# Altium PCB DigitalLabBoard.PcbDoc (part 2 of 3)
Units mm, origin at the board's own origin, x right, y up, seen from the top; angles counter-clockwise.
Board outline 155 x 110 mm, 2 copper layers (Top Layer, Bottom Layer), stack 1.571 mm thick; 189 components, 184 nets, 775 pads, 859 vias.
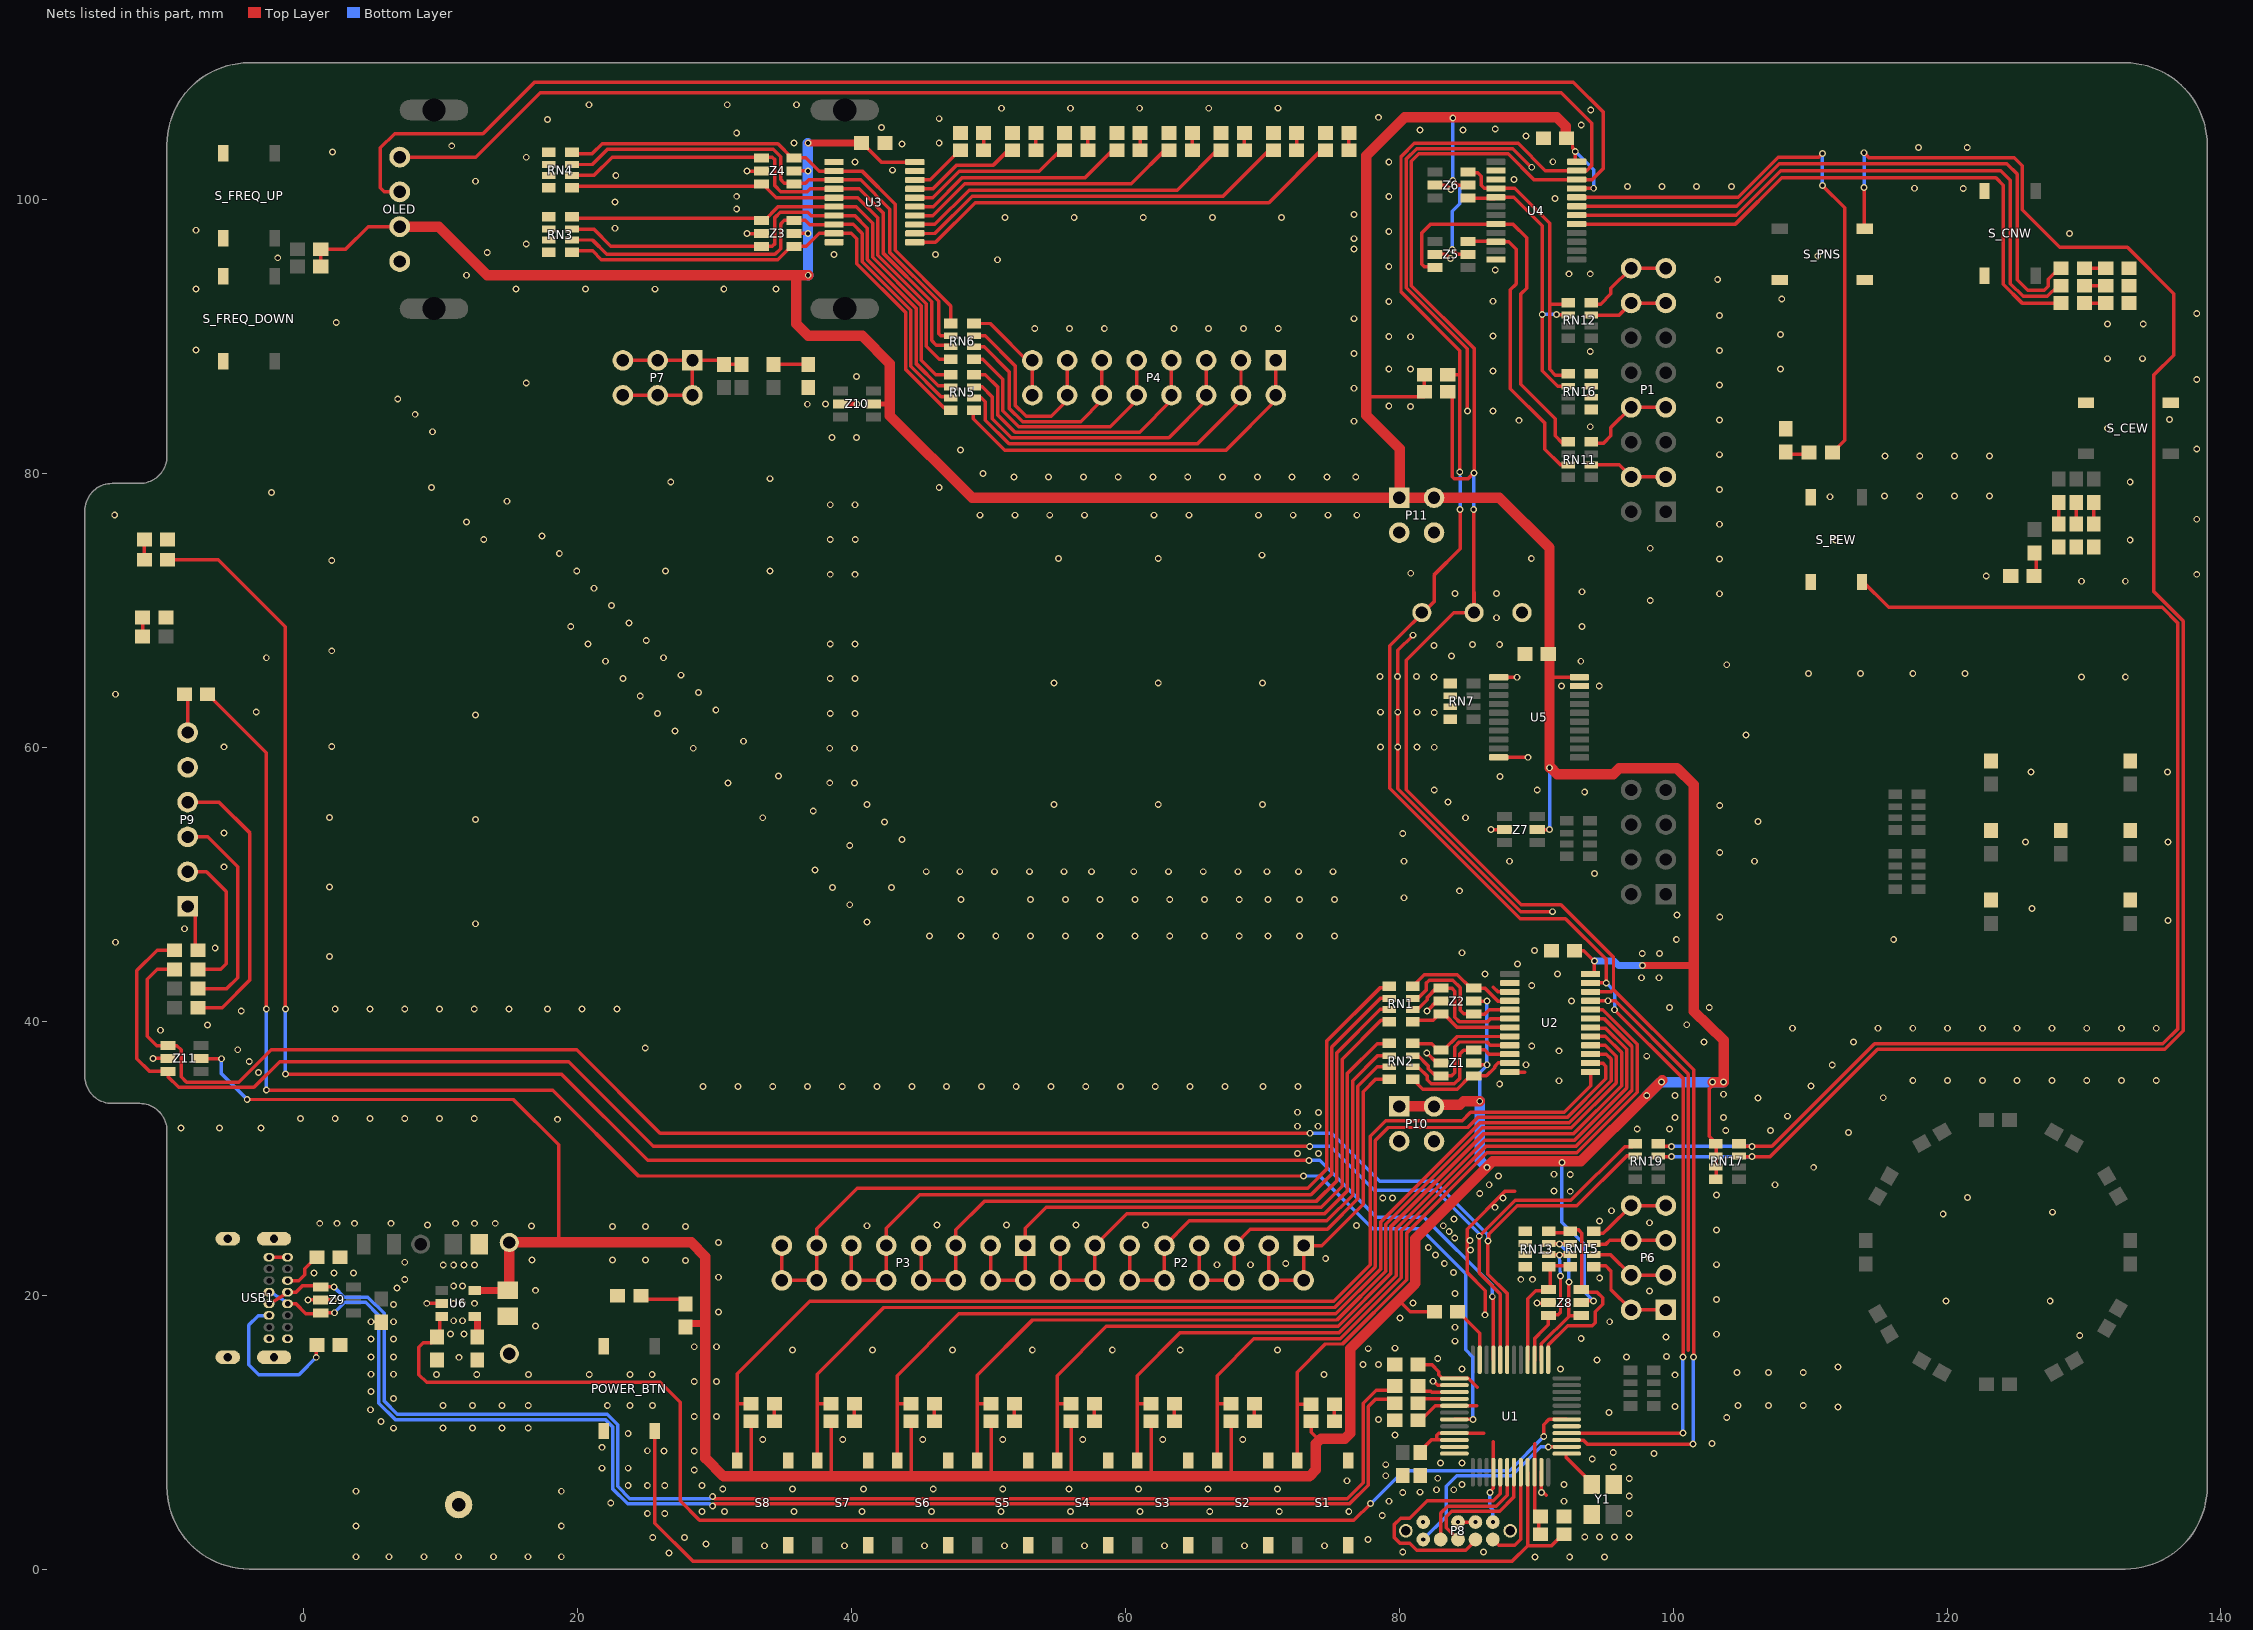
[diagram p2: the nets of this part, all layers, seen from the top]

## Via types
v1: diameter 0.5, hole 0.3, Top Layer to Bottom Layer, tented both sides, 854 vias
v2: diameter 0.5, hole 0.3, Top Layer to Bottom Layer, tented bottom, 5 vias

## Nets (pads, with @x,y where several pads share a name; then routed paths per layer and width w, separated by ;. In a path a pad name is that pad's centre, name@x,y a point inside that pad or via, vN(x,y) a via of type N, cw(c..) or ccw(c..) an arc to the next point about the centre after c; other vN are vias at no path point) (continued)
GND: C1.1 C2.1 C3.1 C4.1 C5.1 C6.1 C7.1 C8.1 C9.1 C10.1 C11.1 C12.1 C13.1 D17.K DIE_LED_A.K DIE_LED_B1.K DIE_LED_B2.K DIE_LED_C1.K DIE_LED_C2.K DIE_LED_D1.K DIE_LED_D2.K LED_0.K LED_1.K LED_2.K LED_3.K LED_4.K LED_5.K LED_6.K LED_7.K N1.1 OLED.1 P8.0 P8.3 P8.5 P8.9 P9.5 P10.3 P10.4 P11.3 P11.4 POWER_BTN.2 POWER_BTN.2b R20.1 R21.1 R22.1 R23.1 R24.1 R25.1 R26.1 R27.1 R29.2 R30.2 R32.2 R35.1 R39.1 R41.1 RN3.1 RN3.2 RN3.3 RN3.4 RN4.1 RN4.2 RN4.3 RN4.4 RN7.1 RN7.2 RN7.3 RN7.4 RN13.1 RN13.2 RN13.3 RN13.4 RN16.5 RN16.6 RN16.7 RN16.8 S1.1 S1.1b S2.1 S2.1b S3.1 S3.1b S4.1 S4.1b S5.1 S5.1b S6.1 S6.1b S7.1 S7.1b S8.1 S8.1b S_CEW.1 S_CEW.1b S_CNW.1 S_CNW.1b S_FREQ_DOWN.1 S_FREQ_DOWN.1b S_FREQ_UP.1 S_FREQ_UP.1b S_PEW.2 S_PEW.2b S_PNS.1 S_PNS.1b TP_Gnd1.1 TP_Gnd2.1 U1.2 U1.11 U1.12 U1.23 U2.2 U2.3 U2.12 U2.21 U3.1 U3.10 U3.19 U4.2 U4.3 U4.12 U5.1 U5.10 U5.19 U6.2 USB1.A1 USB1.A12 USB1.B1 USB1.B12 USB1.SH Y1.2 Y1.4 Z1.2 Z2.2 Z3.2 Z4.2 Z5.2 Z6.2 Z7.2 Z8.2 Z9.2 Z10.2 Z11.2 | length 124.5
  Top Layer w0.254: v1(-11.024,37.287) Z11.2@-9.912,37.287 ; USB1.B12@-2.514,22.761 -1.401,22.761 USB1.A1@-1.165,22.761 ; v1(0.297,19.659) Z9.2@1.23,19.659 v1(2.151,19.659) ; v1(8.97,19.405) U6.2@9.923,19.405 ; POWER_BTN.2b@21.885,10.055 POWER_BTN.2b@21.885,10.082 POWER_BTN.2b@21.885,10.182 ; v1@32.523,102.063 Z4.2@33.38,102.063 ; v1@32.535,97.517 Z3.2@33.392,97.517 ; U3.10@38.267,96.896 U3.10@38.273,96.89 ; v1(81.011,68.198) 79.898,67.085 79.898,56.979 88.871,48.006 v1(91.186,48.006) v1@91.298,48.006 ; v2(81.729,3.428) P8.9@81.748,3.428 P8.9@81.939,3.428 ; v1(82.002,37.693) 82.016,37.693 82.753,36.956 Z1.2@83.021,36.956 ; v1(82.027,40.741) 82.027,40.756 82.753,41.481 Z2.2@83.037,41.481 Z2.2@83.134,41.481 ; v1(82.459,13.715) 82.526,13.715 82.807,13.434 U1.2@84.014,13.434 ; Z5.2@82.553,96.036 Z5.2@82.579,96.062 ; Z5.2@82.58,96.036 Z5.2@82.605,96.011 83.413,96.011 v1(83.729,95.695) ; Z6.2@82.643,101.053 83.452,101.053 v1(83.767,100.737) ; P8.5@84.349,3.419 84.34,3.428 v2(84.288,3.428) v2(85.558,3.428) ; v1(84.974,84.581) 84.974,89.102 80.503,93.573 80.503,102.976 81.26,103.733 88.275,103.733 89.639,102.369 v1(89.673,102.369) ; v1(86.269,18.565) 86.269,20.336 84.948,21.657 84.948,24.812 87.741,27.605 88.446,27.605 ; v1@86.777,54.004 Z7.2@87.673,54.004 ; 86.873,42.484 87.205,42.152 U2.3@88.069,42.152 ; U5.10@87.356,59.279 v1(89.406,59.279) ; U5.1@87.356,65.129 v1(88.592,65.129) ; U2.12@87.619,36.302 87.625,36.296 89.165,36.296 ; v1(90.048,19.416) Z8.2@90.64,19.416 ; U1.23@90.373,7.125 U1.23@90.373,7.075 90.362,5.768 90.739,5.39 ; U2.21@93.969,41.502 95.761,41.502 101.113,36.15 101.113,15.973
  Top Layer w0.381: Z10.2@39.186,85.09 39.199,85.077 40.373,85.077 v1(40.386,85.065)
  other v1: 3.8,0.896 6.22,0.896 8.76,0.896 11.3,0.896 13.84,0.896 16.38,0.896 18.8,0.896 89.901,0.888 92.441,0.888 94.981,0.888 26.67,1.168 80.249,1.244 86.15,1.244 33.64,1.698 39.482,1.698 45.324,1.698 51.166,1.698 57.008,1.698 62.85,1.698 68.692,1.698 74.534,1.698 29.378,1.825 77.7,2.158 25.476,2.311 27.799,2.311 93.543,2.336 94.624,2.336 95.704,2.336 96.785,2.336 3.8,3.136 18.8,3.136 78.751,3.911 25.08,4.063 26.35,4.063 96.794,4.063 29.068,4.19 30.719,4.19 35.799,4.19 40.752,4.19 45.832,4.19 50.912,4.19 55.992,4.19 61.072,4.19 66.152,4.19 71.232,4.19 76.312,4.19 22.413,4.825 79.253,4.952 92.035,4.952 96.794,5.333 80.249,5.587 90.384,5.587 81.512,5.612 3.8,5.676 18.8,5.676 82.728,5.791 83.972,5.791 30.592,5.841 35.672,5.841 40.879,5.841 45.959,5.841 51.039,5.841 55.865,5.841 60.949,5.841 66.025,5.841 71.105,5.841 23.683,6.095 25.08,6.095 26.35,6.095 29.068,6.095 84.584,6.179 92.021,6.179 76.189,6.443 96.794,6.603 82.804,6.629 79.008,6.815 28.509,7.238 21.778,7.365 23.683,7.365 95.62,7.444 79.008,7.619 83.018,7.746 84.567,7.746 94.092,8.026 98.603,8.425 95.62,8.515 26.3,8.61 28.509,8.61 25.08,8.635 21.778,8.889 102.845,9.174 33.513,9.453 39.355,9.453 45.197,9.453 51.039,9.453 56.881,9.453 62.723,9.453 68.565,9.453 79.679,9.776 23.683,9.905 6.545,10.286 10.16,10.287 12.319,10.287 14.478,10.287 16.383,10.287 5.62,10.77 78.471,10.925 103.911,11.075 28.509,11.15 30.135,11.15 95.312,11.429 4.858,11.633 112.039,11.835 100.127,11.87 10.16,11.938 12.319,11.938 14.478,11.938 16.383,11.938 22.159,11.937 23.81,11.937 25.461,11.937 104.724,11.938 106.959,11.937 109.499,11.937 6.545,12.445 4.894,12.953 28.509,13.69 30.135,13.69 100.127,14.183 9.695,14.198 12.623,14.198 16.4,14.198 20.839,14.198 23.81,14.198 25.436,14.198 74.509,14.207 4.894,14.223 6.545,14.223 104.673,14.35 106.959,14.35 109.499,14.35 84.584,14.604 91.781,14.604 112.039,14.756 77.352,14.934 78.471,14.934 94.44,15.275 82.807,15.37 11.32,15.46 96.578,15.476 4.894,15.493 6.545,15.493 99.515,15.519 35.672,16.001 41.514,16.001 47.356,16.001 53.198,16.001 59.04,16.001 63.998,16.001 71.105,16.001 77.733,16.091 79.679,16.128 28.509,16.23 30.135,16.23 84.073,16.638 4.894,16.81 6.545,16.81 93.282,16.823 99.466,16.946 129.692,17.042 10.711,17.156 11.701,17.156 103.162,17.145 84.073,17.658 16.908,17.754 4.894,18.058 6.545,18.058 95.363,18.058 10.939,18.135 11.574,18.135 80.046,18.338 30.287,18.77 6.545,19.328 10.939,19.405 11.574,19.405 12.463,19.405 81.001,19.416 119.913,19.582 127.533,19.582 103.162,19.685 84.073,20.123 98.277,20.315 16.908,20.355 6.799,20.525 10.939,20.675 11.574,20.675 7.365,21.132 88.873,21.157 89.723,21.157 94.633,21.255 30.287,21.31 0.729,21.627 2.195,21.627 3.63,21.627 83.947,21.666 10.177,22.199 10.939,22.199 11.701,22.199 12.463,22.199 66.69,22.218 69.121,22.218 103.162,22.225 71.704,22.301 83.287,22.301 7.365,22.402 27.874,22.541 16.654,22.58 22.54,22.58 24.953,22.58 74.622,22.666 98.277,22.666 82.652,22.936 85.2,23.292 82.118,23.47 30.287,23.85 85.166,24.002 84.049,24.181 83.642,24.638 103.162,24.765 22.53,25.019 24.943,25.019 27.864,25.019 16.629,25.043 41.118,25.071 83.21,25.07 76.86,25.095 9.034,25.12 46.228,25.122 51.308,25.122 56.388,25.122 61.468,25.122 1.16,25.247 2.43,25.247 3.7,25.247 6.367,25.247 11.066,25.247 12.463,25.247 13.977,25.247 98.277,25.285 94.626,25.424 83.998,25.552 119.719,25.932 127.695,26.059 95.488,26.161 86.976,26.416 78.791,27.102 79.502,27.102 87.567,27.102 121.501,27.143 103.162,27.305 85.873,27.419 92.481,27.584 91.298,27.609 86.563,28.067 107.442,28.067 87.249,28.702 92.481,28.804 91.298,28.828 110.261,29.336 72.568,30.353 74.092,30.353 112.801,31.876 103.835,32.029 107.1,32.029 97.373,32.13 99.72,32.13 -8.966,32.207 -6.172,32.207 -3.124,32.207 72.568,32.334 74.066,32.334 18.517,32.842 -0.254,32.893 2.286,32.893 4.826,32.893 7.366,32.893 9.906,32.893 12.446,32.893 100.127,32.977 103.683,32.977 108.356,33.071 72.568,33.358 74.092,33.35 106.197,34.389 115.341,34.416 100.127,34.569 103.683,34.671 29.159,35.23 31.699,35.23 34.239,35.23 36.779,35.23 39.319,35.23 41.859,35.23 44.399,35.23 46.939,35.23 49.479,35.23 52.019,35.23 54.559,35.23 57.099,35.23 59.639,35.23 62.179,35.23 64.719,35.23 67.259,35.23 70.053,35.23 72.593,35.23 110.058,35.281 87.33,35.427 91.658,35.655 117.5,35.686 120.04,35.686 122.58,35.686 125.12,35.686 127.66,35.686 130.2,35.686 132.74,35.686 135.28,35.686 -3.302,36.271 89.243,36.829 111.619,36.818 -3.988,37.059 98.07,37.453 91.654,37.845 -4.826,37.922 24.929,38.05 89.673,38.201 102.26,38.48 113.176,38.48 -10.465,39.345 108.712,39.496 114.96,39.496 117.5,39.496 120.04,39.496 122.58,39.496 125.12,39.496 127.66,39.496 130.2,39.496 132.74,39.496 135.28,39.496 -7.035,39.726 100.99,39.75 -4.572,40.762 2.286,40.894 4.826,40.894 7.366,40.894 9.906,40.894 12.446,40.894 14.986,40.894 17.78,40.894 20.32,40.894 22.86,40.894 99.72,41.02 102.637,41.02 92.569,41.477 95.235,41.503 89.673,42.62 97.688,43.179 98.958,43.179 86.269,43.458 91.553,43.452 88.631,44.195 1.88,44.729 97.739,44.957 99.009,44.957 84.567,45.006 89.876,45.16 -6.477,45.364 -13.767,45.771 100.228,45.973 116.103,45.973 45.696,46.227 47.991,46.227 50.531,46.227 53.071,46.227 55.611,46.227 58.151,46.227 60.691,46.227 63.231,46.227 65.771,46.227 68.311,46.227 70.419,46.227 72.717,46.227 75.257,46.227 -8.712,46.761 12.523,47.128 41.133,47.243 136.129,47.37 103.403,47.624 100.279,47.751 126.212,48.234 39.863,48.513 47.991,48.894 53.071,48.894 55.611,48.894 58.151,48.894 60.691,48.894 63.231,48.894 65.771,48.894 68.311,48.894 70.419,48.894 72.717,48.894 75.257,48.894 80.337,49.021 84.386,49.53 38.593,49.783 42.911,49.783 1.88,49.809 94.245,50.799 45.451,50.926 47.903,50.926 50.443,50.926 52.983,50.926 55.523,50.926 57.531,50.927 60.603,50.926 63.143,50.926 65.683,50.926 68.223,50.926 70.331,50.926 72.629,50.926 75.169,50.926 37.323,51.053 -5.842,51.283 80.337,51.688 88.047,51.688 105.943,51.688 103.403,52.323 39.863,52.831 125.73,53.085 136.129,53.085 43.673,53.288 80.249,53.72 -5.842,53.748 86.701,53.999 42.403,54.558 106.197,54.595 12.523,54.748 33.513,54.863 84.821,54.863 1.88,54.889 37.196,55.371 103.403,55.752 41.133,55.828 54.773,55.828 62.393,55.828 70.013,55.828 83.551,56.006 93.537,56.757 82.553,56.895 90.073,56.895 30.973,57.403 40.208,57.404 38.405,57.416 87.356,57.868 34.656,57.911 126.136,58.211 136.09,58.211 28.433,59.943 38.405,59.944 40.208,59.944 82.553,60.013 -5.842,60.046 78.616,60.034 79.886,60.034 81.283,60.034 2.032,60.071 32.116,60.451 105.308,60.918 27.107,61.213 12.523,62.368 25.837,62.483 38.441,62.483 40.244,62.483 82.553,62.553 -3.48,62.586 78.616,62.574 79.886,62.574 81.283,62.574 30.084,62.737 24.567,63.753 -13.767,63.881 28.814,64.007 91.831,64.479 94.602,64.479 54.773,64.718 62.393,64.718 70.013,64.718 23.297,65.023 38.441,65.035 40.244,65.023 82.535,65.15 129.819,65.15 133.02,65.15 78.598,65.171 79.868,65.171 81.265,65.171 27.544,65.277 109.88,65.404 113.69,65.404 117.5,65.404 121.31,65.404 103.911,66.039 22.027,66.293 93.255,66.293 -2.743,66.547 26.274,66.547 83.805,66.674 2.032,67.056 82.535,67.436 85.355,67.512 87.33,67.512 20.757,67.563 38.441,67.563 40.244,67.563 25.004,67.817 19.487,68.833 93.33,68.833 23.734,69.087 87.107,69.468 22.464,70.357 98.323,70.738 103.378,71.221 84.059,71.246 87.107,71.246 93.33,71.373 21.194,71.627 129.819,72.135 133.02,72.135 122.864,72.516 38.441,72.643 40.244,72.643 138.237,72.643 80.833,72.719 19.924,72.897 26.41,72.897 34.03,72.897 2.032,73.66 103.378,73.761 55.103,73.786 62.393,73.786 89.639,73.789 69.962,74.04 18.654,74.167 98.323,74.548 111.861,75.158 133.375,75.158 13.137,75.183 38.441,75.183 40.27,75.183 17.384,75.437 103.378,76.301 11.867,76.453 138.237,76.668 49.388,76.961 51.928,76.961 54.468,76.961 57.008,76.961 62.088,76.961 64.628,76.961 69.708,76.961 72.248,76.961 74.788,76.961 76.896,76.961 -13.818,76.987 38.441,77.723 40.244,77.723 14.844,77.977 111.455,78.307 115.43,78.358 118.008,78.358 120.548,78.358 123.088,78.358 -2.362,78.613 103.378,78.841 9.327,78.993 46.397,78.994 26.791,79.374 133.375,79.374 34.03,79.628 51.852,79.755 54.392,79.755 56.932,79.755 59.472,79.755 62.012,79.755 64.552,79.755 67.092,79.755 69.632,79.755 72.172,79.755 74.712,79.755 76.82,79.755 49.589,80.009 115.468,81.279 118.008,81.279 120.548,81.279 123.088,81.279 103.378,81.381 47.942,81.711 138.237,81.787 38.563,82.643 40.367,82.643 9.398,83.058 131.724,83.311 93.94,83.417 76.693,83.819 88.737,83.89 103.378,83.921 136.248,83.946 8.128,84.328 86.853,84.581 80.808,84.911 79.233,84.941 36.766,85.065 38.1,85.09 6.859,85.456 76.693,86.232 103.378,86.461 16.241,86.614 138.237,86.867 40.361,87.097 86.853,87.502 79.233,87.629 80.808,87.629 107.848,87.629 131.724,88.391 134.264,88.391 76.693,88.772 93.94,88.921 103.378,89.001 -7.889,89.026 80.808,89.991 79.233,90.021 86.853,90.042 107.848,90.169 53.376,90.586 55.916,90.586 58.456,90.586 63.536,90.586 66.076,90.586 68.616,90.586 71.156,90.586 131.724,90.931 134.33,90.931 2.362,91.034 76.693,91.312 103.378,91.541 138.237,91.693 79.233,92.561 86.853,92.582 107.925,92.76 -7.889,93.472 15.494,93.472 20.574,93.472 25.654,93.467 30.668,93.476 34.483,93.476 103.251,94.182 11.867,94.488 92.38,94.589 93.94,94.589 87.006,94.868 79.233,95.122 50.658,95.62 -1.905,95.758 110.558,95.887 38.717,96.006 46.124,96.006 13.395,96.153 76.693,96.392 16.241,96.773 76.693,97.154 32.37,97.535 128.956,97.535 79.233,97.683 -7.889,97.774 22.733,97.917 51.209,98.703 56.256,98.705 61.303,98.706 66.35,98.708 71.397,98.71 76.693,98.932 31.608,99.313 22.733,99.822 91.362,100.1 79.233,100.223 31.608,100.248 117.627,100.837 121.183,100.825 96.672,100.962 99.172,100.964 101.712,100.964 104.252,100.964 12.522,101.346 88.377,101.473 22.78,101.772 32.37,102.107 42.987,102.158 40.244,102.746 79.233,102.763 91.21,102.775 16.241,103.101 2.083,103.48 117.917,103.809 121.473,103.809 10.795,103.937 43.688,104.082 35.799,104.139 46.397,104.139 89.258,104.647 31.608,104.875 81.519,105.096 84.643,105.104 87.006,105.155 42.182,105.283 93.285,105.445 17.78,105.867 46.397,105.918 78.471,106.019 93.98,106.553 50.945,106.678 55.992,106.68 61.039,106.682 66.086,106.684 71.133,106.686 20.828,106.934 30.922,106.938 35.969,106.94
LED_D0: R11.2 U3.11 | length 33.1
  Top Layer w0.254: U3.11@44.39,96.884 46.124,96.884 49.031,99.791 70.48,99.791 R11.2@74.573,103.885
LED_D1: R12.2 U3.12 | length 29
  Top Layer w0.254: U3.12@44.39,97.534 46.084,97.534 48.798,100.248 67.127,100.248 R12.2@70.763,103.885
LED_D2: R13.2 U3.13 | length 25.1
  Top Layer w0.254: U3.13@44.185,98.196 U3.13@44.617,98.196 46.074,98.196 48.584,100.706 63.774,100.706 R13.2@66.953,103.885
LED_D3: R14.2 U3.14 | length 20.6
  Top Layer w0.254: U3.14@44.644,98.834 45.936,98.834 48.265,101.163 60.421,101.163 R14.2@63.143,103.885
LED_D4: R15.2 U3.15 | length 16.5
  Top Layer w0.254: U3.15@44.644,99.484 45.951,99.484 48.087,101.62 57.068,101.62 R15.2@59.333,103.885
LED_D5: R16.2 U3.16 | length 12.4
  Top Layer w0.254: U3.16@44.644,100.134 45.915,100.134 47.858,102.077 53.716,102.077 R16.2@55.523,103.885
LED_D6: R17.2 U3.17 | length 8.4
  Top Layer w0.254: U3.17@44.644,100.784 45.915,100.784 47.665,102.534 50.363,102.534 R17.2@51.713,103.885
LED_D7: R18.2 U3.18 | length 4.1
  Top Layer w0.254: U3.18@44.617,101.446 45.733,101.446 47.791,103.504 R18.2@47.841,103.504
LED_I0: P4.1 P4.2 RN5.5 | length 27.6
  Top Layer w0.254: RN5.5@48.893,84.627 48.893,84.005 51.187,81.711 67.346,81.711 70.978,85.343 70.978,87.629 P4.1@70.851,87.756
LED_I1: P4.3 P4.4 RN5.6 | length 25.5
  Top Layer w0.254: RN5.6@48.893,85.527 49.482,85.527 49.758,85.251 49.758,83.906 51.496,82.168 65.263,82.168 68.438,85.343 68.438,87.629 P4.3@68.311,87.756
LED_I2: P4.5 P4.6 RN5.7 | length 23.1
  Top Layer w0.254: RN5.7@48.893,86.327 49.544,86.327 50.277,85.594 50.277,83.997 51.649,82.625 63.18,82.625 65.898,85.343 65.898,87.629 P4.5@65.771,87.756
LED_I3: P4.7 P4.8 RN5.8 | length 20.6
  Top Layer w0.254: RN5.8@48.893,87.227 48.913,87.206 48.934,87.227 49.758,87.227 50.658,86.327 50.658,84.309 51.935,83.032 61.047,83.032 63.358,85.343 P4.7@63.358,87.629
LED_I4: P4.9 P4.10 RN6.5 | length 18.6
  Top Layer w0.254: RN6.5@48.893,88.361 49.581,88.361 51.039,86.903 51.039,84.581 52.208,83.413 58.888,83.413 60.818,85.343 60.818,87.629 P4.9@60.691,87.756
LED_I5: P4.11 P4.12 RN6.6 | length 16.3
  Top Layer w0.254: RN6.6@48.893,89.261 49.675,89.261 51.496,87.439 51.496,84.784 52.487,83.794 56.729,83.794 58.278,85.343 P4.11@58.278,87.756
LED_I6: P4.13 P4.14 RN6.7 | length 13.9
  Top Layer w0.254: RN6.7@48.893,90.061 49.75,90.061 51.935,87.876 51.935,84.98 52.741,84.175 54.57,84.175 55.738,85.343 55.738,87.629 P4.13@55.611,87.756
LED_I7: P4.15 P4.16 RN6.8 | length 8.4
  Top Layer w0.254: RN6.8@48.613,91.037 RN6.8@48.893,91.037 ; RN6.8@48.893,90.961 50.12,90.961 53.198,87.883 P4.16@53.198,85.343
LED_IR0: RN3.5 RN5.4 U3.9 Z3.4 | length 37.4
  Top Layer w0.254: RN3.5@19.558,96.259 21.089,96.259 21.728,95.62 34.61,95.62 35.594,96.603 36.696,96.603 37.646,97.553 38.92,97.553 38.928,97.546 39.98,97.546 40.39,97.136 40.39,95.319 43.942,91.767 43.942,87.599 46.716,84.825 RN5.4@47.095,84.825
LED_IR1: RN3.6 RN5.3 U3.8 Z3.6 | length 38.8
  Top Layer w0.254: RN3.6@19.558,97.059 21.076,97.059 22.129,96.006 34.405,96.006 34.822,96.423 34.822,98.228 35.083,98.489 35.804,98.489 35.819,98.503 36.62,98.503 36.941,98.183 U3.8@38.549,98.183 ; U3.8@38.817,98.196 40.107,98.196 40.771,97.532 40.771,95.476 44.323,91.924 44.323,87.833 46.531,85.625 RN5.3@47.195,85.625
LED_IR2: RN3.7 RN5.2 U3.7 Z3.3 | length 38.8
  Top Layer w0.254: RN3.7@19.558,97.859 21.165,97.859 22.424,96.6 Z3.3@33.177,96.6 ; Z3.3@33.419,96.603 34.206,96.603 34.402,96.8 34.402,98.705 34.78,99.082 36.798,99.082 37.048,98.833 U3.7@38.449,98.833 ; U3.7@38.703,98.833 U3.7@38.717,98.846 ; U3.7@38.817,98.846 40.219,98.846 41.152,97.913 41.152,95.634 44.704,92.082 44.704,88.036 46.315,86.425 47.195,86.425 RN5.2@47.293,86.327
LED_IR3: RN3.8 RN5.1 U3.6 Z3.1 | length 36.5
  Top Layer w0.254: RN3.8@19.558,98.659 Z3.1@33.234,98.659 ; Z3.1@33.488,98.659 33.644,98.503 34.624,99.484 U3.6@38.45,99.484 ; U3.6@38.704,99.484 U3.6@38.717,99.496 ; U3.6@38.817,99.496 40.331,99.496 41.533,98.294 41.533,95.792 45.085,92.24 45.085,88.29 46.147,87.228 47.292,87.228 RN5.1@47.293,87.227
LED_IR4: RN4.5 RN6.4 U3.5 Z4.3 | length 36.3
  Top Layer w0.254: RN4.5@19.558,100.972 32.835,100.972 ; Z4.3@33.089,100.972 33.315,101.198 Z4.3@33.431,101.198 ; Z4.3@33.431,101.201 Z4.3@33.431,101.198 ; Z4.3@33.756,101.198 Z4.3@33.431,101.198 ; U3.5@38.463,100.146 34.483,100.146 Z4.3@33.431,101.198 ; U3.5@38.717,100.146 40.443,100.146 41.914,98.675 41.914,95.95 45.466,92.398 45.466,89.293 46.398,88.361 RN6.4@47.243,88.361
LED_IR5: RN4.6 RN6.3 U3.4 Z4.1 | length 38.4
  Top Layer w0.254: RN4.6@19.558,101.772 21.178,101.772 22.507,103.101 34.218,103.101 34.402,102.917 34.402,101.01 34.834,100.578 36.766,100.578 36.984,100.796 U3.4@38.463,100.796 ; U3.4@38.717,100.796 40.555,100.796 42.295,99.056 42.295,96.108 45.847,92.556 45.847,89.72 46.184,89.382 47.122,89.382 RN6.3@47.243,89.261
LED_IR6: RN4.7 RN6.2 U3.3 Z4.4 | length 37.9
  Top Layer w0.254: RN4.7@19.558,102.572 21.064,102.572 22.172,103.68 34.292,103.68 34.834,103.138 34.834,101.477 35.095,101.216 35.817,101.216 35.831,101.201 36.632,101.201 36.877,101.446 U3.3@38.463,101.446 ; U3.3@38.817,101.446 40.667,101.446 42.799,99.314 42.799,96.142 46.36,92.582 46.36,90.21 46.509,90.061 RN6.2@47.243,90.061 RN6.2@47.293,90.061
LED_IR7: RN4.8 RN6.1 U3.2 Z4.6 | length 36
  Top Layer w0.254: RN4.8@19.558,103.372 21.073,103.372 21.782,104.082 34.625,104.082 Z4.6@35.606,103.101 ; Z4.6@35.805,103.057 36.653,103.057 37.634,102.075 38.696,102.075 U3.2@38.717,102.096 40.763,102.096 43.18,99.679 43.18,96.3 47.243,92.237 RN6.1@47.243,90.961 RN6.1@47.293,90.961
NetC12_2: C12.2 U6.4 | length 1.7
  Top Layer w0.508: U6.4@12.67,18.455 C12.2@12.67,16.953 12.67,16.746 C12.2@12.678,16.738
NetC14_1: C14.1 P7.1 P7.2 P7.3 P7.4 P7.5 P7.6 R36.1 | length 16
  Top Layer w0.254: P7.6@23.297,85.725 P7.4@25.837,85.725 P7.2@28.377,85.725 P7.1@28.377,88.265 ; P7.5@23.297,88.265 P7.3@25.837,88.265 P7.1@28.377,88.265 ; C14.1@30.683,87.972 30.39,88.265 P7.1@28.377,88.265 ; C14.1@31.066,87.966 31.072,87.972 R36.1@31.953,87.972
NetD1_A: D1.A R10.1 | length 1.5
  Top Layer w0.254: R10.1@75.257,10.52 D1.A@75.257,12.044
NetD2_A: D2.A R9.1 | length 1.5
  Top Layer w0.254: R9.1@69.415,10.54 D2.A@69.415,12.064
NetD3_A: D3.A R8.1 | length 1.5
  Top Layer w0.254: R8.1@63.573,10.54 D3.A@63.573,12.064
NetD4_A: D4.A R7.1 | length 1.5
  Top Layer w0.254: R7.1@57.731,10.54 D4.A@57.731,12.064
NetD5_A: D5.A R6.1 | length 1.5
  Top Layer w0.254: R6.1@51.889,10.54 D5.A@51.889,12.064
NetD6_A: D6.A R5.1 | length 1.5
  Top Layer w0.254: R5.1@46.047,10.523 D6.A@46.047,12.064
NetD7_A: D7.A R4.1 | length 1.5
  Top Layer w0.254: R4.1@40.205,10.54 D7.A@40.205,12.064
NetD8_A: D8.A R3.1 | length 1.5
  Top Layer w0.254: R3.1@34.363,10.54 D8.A@34.363,12.064
NetD17_A: D17.A R19.1 | length 2.9
  Top Layer w0.254: D17.A@24.934,19.717 R19.1@27.799,19.717
NetD_AEW_K: D_AEW.K R21.2 | length 1.3
  Top Layer w0.254: R21.2@129.438,76.541 D_AEW.K@129.438,77.889
NetD_ANS_K: D_ANS.K R25.2 | length 1.6
  Top Layer w0.254: D_ANS.K@130.034,93.725 R25.2@131.59,93.725